# Altium PCB TEBF0808.PcbDoc (part 4 of 11)
Units mm, origin at the board's own origin, x right, y up, seen from the top; angles counter-clockwise.
Board outline 170 x 170 mm, 16 copper layers (L 01, L 02 G, L 03 S, L 04 G, L 05 S, L 06 G, L 07 P, L 08 P, L 09 P, L 10 P, L 11 G, L 12 S, L 13 G, L 14 S, L 15 G, L 16), stack 1.774 mm thick; 609 components, 869 nets, 3941 pads, 2358 vias.
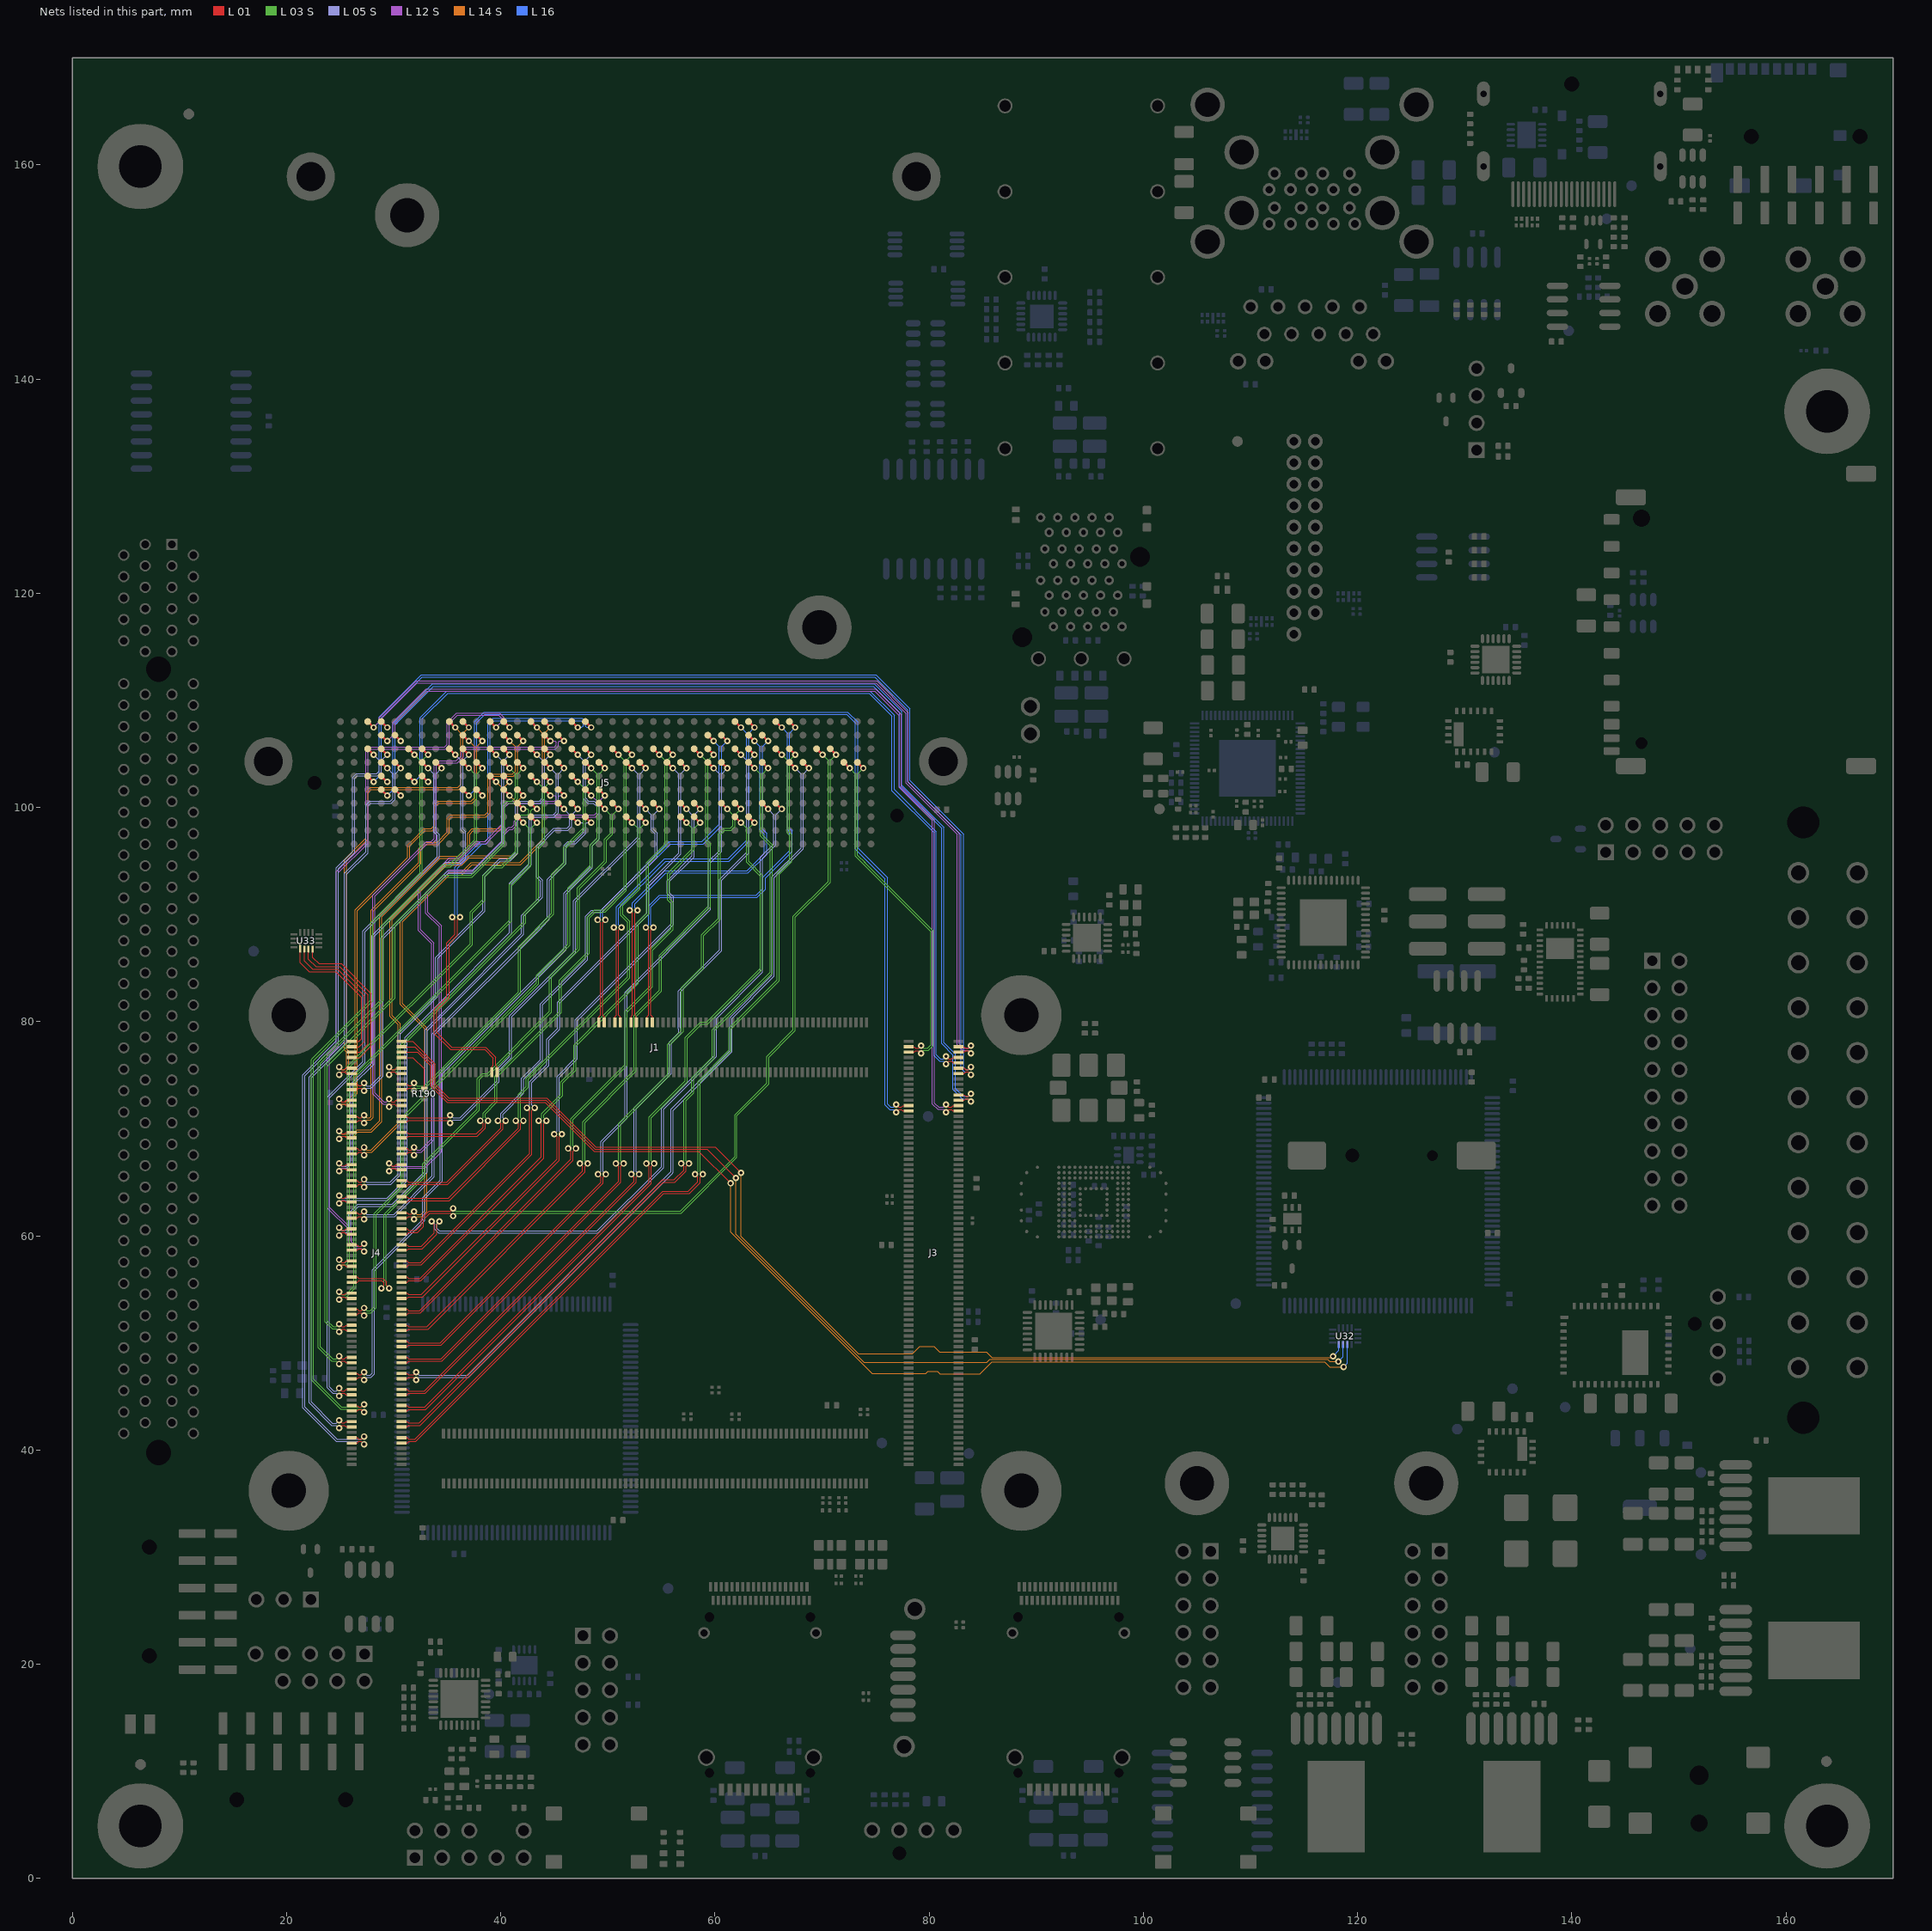
[diagram p18: the nets of this part, all layers, seen from the top]

## Via types
v1: diameter 0.6, hole 0.3, L 01 to L 16, 2356 vias
v2: diameter 0.6/0/0/0/0/0/0/0/0/0/0/0/0/0/0/0.6 (per signal layer), hole 0.3, L 01 to L 16, 2 vias

## Nets (pads, with @x,y where several pads share a name; then routed paths per layer and width w, separated by ;. In a path a pad name is that pad's centre, name@x,y a point inside that pad or via, vN(x,y) a via of type N, cw(c..) or ccw(c..) an arc to the next point about the centre after c; other vN are vias at no path point) (continued)
B48_L5_N: J3.25 J5.E31 | length 83.6
  L 01 w0.1: v1(76.908,72.263) 77.158,72.013 77.415,72.013 77.555,72.153 J3.25@78.07,72.153
  L 01 w0.2: J5.E31@36.466,101.665 v1(37.015,101.116)
  L 16 w0.1: v1(37.015,101.116) 37.54,101.641 37.54,108.002 38.439,108.9 72.4,108.9 73.33,107.969 73.33,96.195 76.1,93.425 76.1,72.313 76.4,72.013 76.658,72.013 v1(76.908,72.263)
B48_L5_P: J3.27 J5.E30 | length 83.2
  L 01 w0.1: v1(76.908,71.543) 77.158,71.793 77.415,71.793 77.555,71.653 J3.27@78.07,71.653
  L 01 w0.2: J5.E30@37.736,101.665 v1(38.285,101.116)
  L 16 w0.1: v1(38.285,101.116) 37.76,101.641 37.76,107.91 38.53,108.68 72.309,108.68 73.11,107.878 73.11,96.103 75.88,93.334 75.88,72.222 76.309,71.793 76.658,71.793 v1(76.908,71.543)
B48_L6_N: J3.3 J5.G3 | length 32.3
  L 01 w0.1: J3.3@78.07,77.653 78.585,77.653 78.725,77.513 78.982,77.513 v1(79.232,77.763)
  L 01 w0.2: J5.G3@72.026,104.205 v1(72.575,103.656)
  L 03 S w0.08: v1(72.575,103.656) 73.11,103.121 73.11,95.465 80.175,88.4 80.175,77.828 79.85,77.503 79.492,77.503 v1(79.232,77.763)
B48_L6_P: J3.5 J5.G2 | length 32.7
  L 01 w0.1: J3.5@78.07,77.153 78.585,77.153 78.725,77.293 78.982,77.293 v1(79.232,77.043)
  L 01 w0.2: J5.G2@73.296,104.205 v1(73.845,103.656)
  L 03 S w0.08: v1(73.845,103.656) 73.31,103.121 73.31,95.547 74.016,94.841 ; 73.916,94.941 80.375,88.483 80.375,77.745 79.933,77.303 79.492,77.303 v1(79.232,77.043)
B48_L8_N: J3.4 J5.K38 | length 89.5
  L 01 w0.1: J3.4@82.74,77.653 83.255,77.653 83.395,77.513 83.652,77.513 v1(83.902,77.763)
  L 01 w0.2: J5.K38@27.576,108.015 v1(28.125,107.466)
  L 12 S w0.08: v1(28.125,107.466) 28.66,108.001 28.66,108.36 32.1,111.8 75.099,111.8 78,108.899 78.05,108.849 78.05,102.333 82.8,97.583 82.8,77.9 83.197,77.503 83.642,77.503 v1(83.902,77.763)
B48_L8_P: J3.6 J5.K37 | length 89.2
  L 01 w0.1: J3.6@82.74,77.153 83.255,77.153 83.395,77.293 83.652,77.293 v1(83.902,77.043)
  L 01 w0.2: J5.K37@28.846,108.015 v1(29.395,107.466)
  L 12 S w0.08: v1(29.395,107.466) 28.86,108.001 28.86,108.278 32.183,111.6 75.016,111.6 77.85,108.766 77.85,102.25 82.6,97.5 82.6,77.817 83.114,77.303 83.642,77.303 v1(83.902,77.043)
B48_L9_N: J3.8 J5.F35 | length 89.1
  L 01 w0.1: v1(81.578,76.763) 81.828,76.513 82.085,76.513 82.225,76.653 J3.8@82.74,76.653
  L 01 w0.2: J5.F35@31.386,102.935 v1(31.935,102.386)
  L 16 w0.1: v1(31.935,102.386) 32.46,102.911 32.46,108.372 34.959,110.87 74.48,110.87 76.75,108.6 76.75,101.65 80.65,97.75 80.65,76.913 81.05,76.513 81.328,76.513 v1(81.578,76.763)
B48_L9_P: J3.10 J5.F34 | length 88.7
  L 01 w0.1: v1(81.578,76.043) 81.828,76.293 82.085,76.293 82.225,76.153 J3.10@82.74,76.153
  L 01 w0.2: J5.F34@32.656,102.935 v1(33.205,102.386)
  L 16 w0.1: v1(33.205,102.386) 32.68,102.911 32.68,108.28 35.05,110.65 74.389,110.65 76.53,108.509 76.53,101.559 80.43,97.659 80.43,76.822 80.959,76.293 81.328,76.293 v1(81.578,76.043)
B48_L10_N: J3.22 J5.E37 | length 98.3
  L 01 w0.1: J3.22@82.74,73.153 83.255,73.153 83.395,73.013 83.652,73.013 v1(83.902,73.263)
  L 01 w0.2: J5.E37@28.846,101.665 v1(29.395,101.116)
  L 16 w0.1: v1(29.395,101.116) 29.92,101.641 29.92,107.832 33.609,111.52 74.88,111.52 77.45,108.95 77.45,102.05 81.37,98.13 81.37,78.03 82.45,76.95 82.45,73.763 83.2,73.013 83.652,73.013 v1(83.902,73.263)
B48_L10_P: J3.24 J5.E36 | length 97.9
  L 01 w0.1: J3.24@82.74,72.653 83.255,72.653 83.395,72.793 83.652,72.793 v1(83.902,72.543)
  L 01 w0.2: J5.E36@30.116,101.665 v1(30.665,101.116)
  L 16 w0.1: v1(30.665,101.116) 30.14,101.641 30.14,107.74 33.7,111.3 74.789,111.3 77.23,108.859 77.23,101.959 81.15,98.039 81.15,77.939 82.23,76.859 82.23,73.672 83.109,72.793 83.652,72.793 v1(83.902,72.543)
B48_L11_N: J3.26 J5.J37 | length 92.7
  L 01 w0.1: v1(81.578,72.263) 81.828,72.013 82.085,72.013 82.225,72.153 J3.26@82.74,72.153
  L 01 w0.2: J5.J37@28.846,106.745 v1(29.395,106.196)
  L 12 S w0.08: v1(29.395,106.196) 29.93,106.731 29.93,107.963 33.017,111.05 75.001,111.05 75.101,110.95 77.4,108.651 77.4,101.951 78.8,100.551 80.5,98.851 80.5,72.4 80.897,72.003 81.318,72.003 v1(81.578,72.263)
B48_L11_P: J3.28 J5.J36 | length 92.4
  L 01 w0.1: v1(81.578,71.543) 81.828,71.793 82.085,71.793 82.225,71.653 J3.28@82.74,71.653
  L 01 w0.2: J5.J36@30.116,106.745 v1(30.665,106.196)
  L 12 S w0.08: v1(30.665,106.196) 30.13,106.731 30.13,107.88 33.1,110.85 74.918,110.85 77.2,108.568 77.2,101.869 80.3,98.769 80.3,72.317 80.814,71.803 81.318,71.803 v1(81.578,71.543)
B48_L12_N: J3.12 J5.F38 | length 97.3
  L 01 w0.1: J3.12@82.74,75.653 83.255,75.653 83.395,75.513 83.652,75.513 v1(83.902,75.763)
  L 01 w0.2: J5.F38@27.576,102.935 v1(28.125,102.386)
  L 16 w0.1: v1(28.125,102.386) 28.65,102.911 28.65,108.45 32.584,112.384 75.016,112.384 78.2,109.2 78.2,102.5 83.2,97.5 83.2,75.708 83.395,75.513 83.652,75.513 v1(83.902,75.763)
B48_L12_P: J3.14 J5.F37 | length 97
  L 01 w0.1: J3.14@82.74,75.153 83.255,75.153 83.395,75.293 83.652,75.293 v1(83.902,75.043)
  L 01 w0.2: J5.F37@28.846,102.935 v1(29.395,102.386)
  L 16 w0.1: v1(29.395,102.386) 28.87,102.911 28.87,108.359 32.675,112.164 74.925,112.164 77.98,109.109 77.98,102.409 82.98,97.409 82.98,75.617 83.304,75.293 83.652,75.293 v1(83.902,75.043)
B64_L1_N: J4.138 J5.C11 | length 71.8
  L 01 w0.1: J4.138@30.74,44.153 31.255,44.153 31.395,44.013 32.902,44.013 53.84,64.951 53.84,66.5 v1(53.59,66.75)
  L 01 w0.2: J5.C11@61.866,99.125 v1(62.415,98.576)
  L 03 S w0.08: v1(53.59,66.75) 53.85,67.01 53.85,71.108 57.22,74.478 57.22,78.52 58.65,79.95 59.217,79.95 64.25,84.983 64.25,93.578 62.95,94.878 62.95,98.041 v1(62.415,98.576)
B64_L1_P: J4.140 J5.C10 | length 72.2
  L 01 w0.1: J4.140@30.74,43.653 31.255,43.653 31.395,43.793 32.993,43.793 54.06,64.86 54.06,66.5 v1(54.31,66.75)
  L 01 w0.2: J5.C10@63.136,99.125 v1(63.685,98.576)
  L 03 S w0.08: v1(54.31,66.75) 54.05,67.01 54.05,71.025 57.42,74.395 57.42,78.437 58.733,79.75 59.3,79.75 64.45,84.9 64.45,93.661 63.15,94.961 63.15,98.041 v1(63.685,98.576)
B64_L2_N: J4.132 J5.H11 | length 75.3
  L 01 w0.1: J4.132@30.74,45.653 31.255,45.653 31.395,45.513 32.863,45.513 52.44,65.09 52.44,65.5 v1(52.19,65.75)
  L 01 w0.2: J5.H11@61.866,105.475 v1(62.415,104.926)
  L 05 S w0.08: v1(52.19,65.75) 52.45,66.01 52.45,71.95 55.716,75.216 55.716,78.067 56.595,78.946 56.595,79.31 56.59,79.316 56.59,82.84 56.95,83.2 60.439,86.689 60.439,93.289 62.95,95.8 62.95,104.391 v1(62.415,104.926)
B64_L2_P: J4.134 J5.H10 | length 75.6
  L 01 w0.1: J4.134@30.74,45.153 31.255,45.153 31.395,45.293 32.954,45.293 52.66,64.999 52.66,65.5 v1(52.91,65.75)
  L 01 w0.2: J5.H10@63.136,105.475 v1(63.685,104.926)
  L 05 S w0.08: v1(52.91,65.75) 52.65,66.01 52.65,71.867 55.916,75.133 55.916,77.984 56.795,78.863 56.795,79.393 56.79,79.398 56.79,82.757 60.639,86.606 60.639,93.206 63.15,95.718 63.15,104.391 v1(63.685,104.926)
B64_L3_N: J4.120 J5.D12 | length 67.9
  L 01 w0.1: J4.120@30.74,48.653 31.255,48.653 31.395,48.513 34.427,48.513 50.99,65.076 50.99,66.5 v1(50.74,66.75)
  L 01 w0.2: J5.D12@60.596,100.395 v1(61.145,99.846)
  L 03 S w0.08: v1(50.74,66.75) 51,67.01 51,70.5 55.57,75.07 55.57,77.86 56.86,79.15 56.86,83.16 58.75,85.05 58.75,88.1 60.3,89.65 60.3,97.533 60.817,98.05 61.43,98.05 61.68,98.3 61.68,99.311 v1(61.145,99.846)
B64_L3_P: J4.122 J5.D11 | length 68.3
  L 01 w0.1: J4.122@30.74,48.153 31.255,48.153 31.395,48.293 34.518,48.293 51.21,64.985 51.21,66.5 v1(51.46,66.75)
  L 01 w0.2: J5.D11@61.866,100.395 v1(62.415,99.846)
  L 03 S w0.08: v1(51.46,66.75) 51.2,67.01 51.2,70.417 55.77,74.987 55.77,77.777 57.06,79.067 57.06,83.077 58.95,84.967 58.95,88.017 60.5,89.567 60.5,97.45 60.9,97.85 61.513,97.85 61.88,98.217 61.88,99.311 v1(62.415,99.846)
B64_L4_N: J4.116 J5.G12 | length 69.7
  L 01 w0.1: J4.116@30.74,49.653 31.255,49.653 31.395,49.793 34.443,49.793 49.56,64.91 49.56,65.5 v1(49.81,65.75)
  L 01 w0.2: J5.G12@60.596,104.205 v1(61.145,103.656)
  L 05 S w0.08: v1(49.81,65.75) 49.55,66.01 49.55,68.727 51.8,70.977 51.8,82.667 59.6,90.467 59.6,94.867 60.61,95.878 60.61,103.121 v1(61.145,103.656)
B64_L4_P: J4.114 J5.G13 | length 69.3
  L 01 w0.1: J4.114@30.74,50.153 31.255,50.153 31.395,50.013 34.352,50.013 49.34,65.001 49.34,65.5 v1(49.09,65.75)
  L 01 w0.2: J5.G13@59.326,104.205 v1(59.875,103.656)
  L 05 S w0.08: v1(49.09,65.75) 49.35,66.01 49.35,68.81 51.6,71.06 51.6,82.75 59.4,90.55 59.4,94.95 60.41,95.96 60.41,103.121 v1(59.875,103.656)
B64_L5_N: J4.104 J5.C14 | length 59.7
  L 01 w0.1: J4.104@30.74,52.653 31.255,52.653 31.395,52.793 32.493,52.793 46.76,67.06 46.76,67.9 v1(47.01,68.15)
  L 01 w0.2: J5.C14@58.056,99.125 v1(58.605,98.576)
  L 03 S w0.08: v1(47.01,68.15) 46.75,68.41 46.75,70.85 51.8,75.9 51.8,80.9 54.15,83.25 54.15,86.664 56.075,88.589 56.075,91.125 55.775,91.425 55.775,93.742 58.07,96.038 58.07,98.041 v1(58.605,98.576)
B64_L5_P: J4.102 J5.C15 | length 59.3
  L 01 w0.1: J4.102@30.74,53.153 31.255,53.153 31.395,53.013 32.402,53.013 46.54,67.151 46.54,67.9 v1(46.29,68.15)
  L 01 w0.2: J5.C15@56.786,99.125 v1(57.335,98.576)
  L 03 S w0.08: v1(46.29,68.15) 46.55,68.41 46.55,70.933 51.6,75.983 51.6,80.983 53.95,83.333 53.95,86.747 55.875,88.672 55.875,91.042 55.575,91.342 55.575,93.825 57.87,96.12 57.87,98.041 v1(57.335,98.576)
B64_L6_N: J4.96 J5.D15 | length 59.3
  L 01 w0.1: J4.96@30.74,54.653 31.255,54.653 31.395,54.513 32.602,54.513 45.24,67.151 45.24,69.25 v1(44.99,69.5)
  L 01 w0.2: J5.D15@56.786,100.395 v1(57.335,99.846)
  L 05 S w0.08: v1(44.99,69.5) 45.25,69.76 45.25,74.05 45.25,74.883 46.95,76.583 46.95,80.15 55.95,89.15 55.95,91.55 55.55,91.95 55.55,93.15 55.65,93.25 57.87,95.47 57.87,99.311 v1(57.335,99.846)
B64_L6_P: J4.98 J5.D14 | length 59.6
  L 01 w0.1: J4.98@30.74,54.153 31.255,54.153 31.395,54.293 32.693,54.293 45.46,67.06 45.46,69.25 v1(45.71,69.5)
  L 01 w0.2: J5.D14@58.056,100.395 v1(58.605,99.846)
  L 05 S w0.08: v1(45.71,69.5) 45.45,69.76 45.45,74.8 47.15,76.5 47.15,80.067 56.15,89.067 56.15,91.633 55.75,92.033 55.75,93.067 58.07,95.388 58.07,99.311 v1(58.605,99.846)
B64_L7_N: J4.152 J5.H7 | length 82.7
  L 01 w0.1: J4.152@30.74,40.653 31.255,40.653 31.402,40.8 32.061,40.8 55.201,63.939 57.601,63.939 58.61,64.949 58.61,65.5 v1(58.86,65.75)
  L 01 w0.2: J5.H7@66.946,105.475 v1(67.495,104.926)
  L 03 S w0.08: v1(58.86,65.75) 58.6,66.01 58.6,74.35 61.51,77.26 61.51,79.327 66,83.817 66,93.767 67.15,94.917 67.15,97.457 66.96,97.647 66.96,104.391 v1(67.495,104.926)
B64_L7_P: J4.150 J5.H8 | length 82.4
  L 01 w0.1: J4.150@30.74,41.153 31.255,41.153 31.388,41.02 31.97,41.02 55.109,64.159 57.509,64.159 58.39,65.04 58.39,65.5 v1(58.14,65.75)
  L 01 w0.2: J5.H8@65.676,105.475 v1(66.225,104.926)
  L 03 S w0.08: v1(58.14,65.75) 58.4,66.01 58.4,74.433 61.31,77.343 61.31,79.41 65.8,83.9 65.8,93.85 66.95,95 66.95,97.374 66.76,97.564 66.76,104.391 v1(66.225,104.926)
B64_L8_N: J4.144 J5.G10 | length 78.6
  L 01 w0.1: J4.144@30.74,42.653 31.255,42.653 31.395,42.513 32.385,42.513 55.092,65.22 56.17,65.22 57.09,66.14 57.09,66.5 v1(56.84,66.75)
  L 01 w0.2: J5.G10@63.136,104.205 v1(63.685,103.656)
  L 03 S w0.08: v1(56.84,66.75) 57.1,67.01 57.1,72.708 57.8,73.408 57.8,74.733 59.75,76.683 59.75,79.233 65.15,84.633 65.15,96.417 64.22,97.347 64.22,103.121 v1(63.685,103.656)
B64_L8_P: J4.146 J5.G9 | length 79
  L 01 w0.1: J4.146@30.74,42.153 31.255,42.153 31.395,42.293 32.476,42.293 55.183,65 56.261,65 57.31,66.049 57.31,66.5 v1(57.56,66.75)
  L 01 w0.2: J5.G9@64.406,104.205 v1(64.955,103.656)
  L 03 S w0.08: v1(57.56,66.75) 57.3,67.01 57.3,72.625 58,73.325 58,74.65 59.95,76.6 59.95,79.15 65.35,84.55 65.35,96.5 64.42,97.43 64.42,103.121 v1(64.955,103.656)
B64_L9_N: J4.108 J5.H14 | length 68
  L 01 w0.1: J4.108@30.74,51.653 31.255,51.653 31.395,51.513 33.119,51.513 47.64,66.034 47.64,66.5 v1(47.39,66.75)
  L 01 w0.2: J5.H14@58.056,105.475 v1(58.605,104.926)
  L 03 S w0.08: v1(47.39,66.75) 47.65,67.01 47.65,70.658 52.45,75.458 52.45,80.583 54.8,82.933 54.8,86.2 59.4,90.8 59.4,96.517 59.14,96.777 59.14,104.391 v1(58.605,104.926)
B64_L9_P: J4.110 J5.H13 | length 68.4
  L 01 w0.1: J4.110@30.74,51.153 31.255,51.153 31.395,51.293 33.21,51.293 47.86,65.943 47.86,66.5 v1(48.11,66.75)
  L 01 w0.2: J5.H13@59.326,105.475 v1(59.875,104.926)
  L 03 S w0.08: v1(48.11,66.75) 47.85,67.01 47.85,70.575 52.65,75.375 52.65,80.5 55,82.85 55,86.117 59.6,90.717 59.6,96.6 59.34,96.86 59.34,104.391 v1(59.875,104.926)
B64_L10_N: J4.90 J5.H17 | length 61.4
  L 01 w0.1: J4.90@30.74,56.153 31.255,56.153 31.395,56.013 32.452,56.013 43.79,67.351 43.79,70.5 v1(43.54,70.75)
  L 01 w0.2: J5.H17@54.246,105.475 v1(54.795,104.926)
  L 03 S w0.08: v1(43.54,70.75) 43.8,71.01 43.8,71.4 45.6,73.2 45.6,74.35 46.805,75.555 46.805,77.805 49.75,80.75 52.65,83.65 52.65,89.15 53.6,90.1 53.6,94.833 55.33,96.563 55.33,104.391 v1(54.795,104.926)
B64_L10_P: J4.92 J5.H16 | length 61.7
  L 01 w0.1: J4.92@30.74,55.653 31.255,55.653 31.395,55.793 32.543,55.793 44.01,67.26 44.01,70.5 v1(44.26,70.75)
  L 01 w0.2: J5.H16@55.516,105.475 v1(56.065,104.926)
  L 03 S w0.08: v1(44.26,70.75) 44,71.01 44,71.317 45.8,73.117 45.8,74.267 47.005,75.473 47.005,77.723 52.85,83.567 52.85,89.067 53.8,90.017 53.8,94.75 55.53,96.48 55.53,104.391 v1(56.065,104.926)
B64_L11_N: J4.80 J5.D9 | length 68.3
  L 01 w0.1: J4.80@30.74,58.653 31.255,58.653 31.395,58.793 32.654,58.793 34.02,60.159 34.02,61.1 v1(34.27,61.35)
  L 01 w0.2: J5.D9@64.406,100.395 v1(64.955,99.846)
  L 05 S w0.08: v1(34.27,61.35) 34.01,61.09 34.01,60.723 34.283,60.45 49,60.45 55,66.45 55,71.9 59.93,76.83 59.93,80.38 60.05,80.5 64.25,84.7 64.25,95.35 65.49,96.59 65.49,99.311 v1(64.955,99.846)
B64_L11_P: J4.78 J5.D8 | length 68.6
  L 01 w0.1: J4.78@30.74,59.153 31.255,59.153 31.395,59.013 32.563,59.013 33.8,60.25 33.8,61.1 v1(33.55,61.35)
  L 01 w0.2: J5.D8@65.676,100.395 v1(66.225,99.846)
  L 05 S w0.08: v1(33.55,61.35) 33.81,61.09 33.81,60.64 34.2,60.25 49.083,60.25 55.2,66.367 55.2,71.817 60.13,76.747 60.13,80.297 64.45,84.617 64.45,95.267 65.69,96.508 65.69,99.311 v1(66.225,99.846)
B64_L12_N: J4.126 J5.G7 | length 77
  L 01 w0.1: J4.126@30.74,47.153 31.255,47.153 31.395,47.013 31.85,47.013 v1(32.1,47.263)
  L 01 w0.2: J5.G7@66.946,104.205 v1(67.495,103.656)
  L 05 S w0.08: v1(32.1,47.263) 32.363,47 36.9,47 55.9,66 55.9,71.8 61.38,77.28 61.38,80.38 65.33,84.33 65.33,93.53 68.03,96.23 68.03,103.121 v1(67.495,103.656)
B64_L12_P: J4.128 J5.G6 | length 108
  L 01 w0.1: J4.128@30.74,46.653 31.255,46.653 31.395,46.793 31.85,46.793 v1(32.1,46.543)
  L 01 w0.2: J5.G6@68.216,104.205 v1(68.765,103.656)
  L 05 S w0.08: v1(32.1,46.543) 32.357,46.8 36.983,46.8 ; v1(68.765,103.656) 68.23,103.121 68.23,96.148 ; 36.983,46.8 56,65.817 ; 36.983,46.8 56,65.817 ; 56,65.817 56.1,65.917 56.1,71.717 61.58,77.197 61.58,80.297 65.53,84.247 65.53,93.447 ; 65.53,93.447 68.23,96.148 ; 65.53,93.447 68.23,96.148
B64_L13_N: J4.66 J5.K26 | length 58.5
  L 01 w0.1: J4.66@30.74,62.153 31.255,62.153 31.395,62.013 31.652,62.013 v1(31.902,62.263)
  L 01 w0.2: J5.K26@42.816,108.015 v1(43.365,107.466)
  L 14 S w0.08: v1(31.902,62.263) 32.162,62.003 32.553,62.003 32.9,62.35 32.9,79.317 30.6,81.617 30.6,89.4 35.1,93.9 36.267,93.9 37.217,94.85 41.75,94.85 43.9,97 43.9,106.931 v1(43.365,107.466)
B64_L13_P: J4.68 J5.K25 | length 58.8
  L 01 w0.1: J4.68@30.74,61.653 31.255,61.653 31.395,61.793 31.652,61.793 v1(31.902,61.543)
  L 01 w0.2: J5.K25@44.086,108.015 v1(44.635,107.466)
  L 14 S w0.08: v1(31.902,61.543) 32.162,61.803 32.636,61.803 33.1,62.267 33.1,79.4 30.8,81.7 30.8,89.317 35.183,93.7 36.35,93.7 37.3,94.65 41.833,94.65 44.1,96.918 44.1,106.931 v1(44.635,107.466)
B64_L14_N: J4.72 J5.H5 | length 76.7
  L 01 w0.1: J4.72@30.74,60.653 31.255,60.653 31.395,60.513 32.113,60.513 32.575,60.975 32.575,61.591 33.304,62.32 35.3,62.32 v1(35.55,62.57)
  L 01 w0.2: J5.H5@69.486,105.475 v1(70.035,104.926)
  L 03 S w0.08: v1(35.55,62.57) 35.81,62.31 56.76,62.31 61.85,67.4 61.85,71.29 64.82,74.26 64.82,76.77 67.295,79.245 67.295,89.82 70.57,93.095 70.57,104.391 v1(70.035,104.926)
B64_L14_P: J4.74 J5.H4 | length 77.1
  L 01 w0.1: J4.74@30.74,60.153 31.255,60.153 31.395,60.293 32.204,60.293 32.795,60.884 32.795,61.5 33.395,62.1 35.3,62.1 v1(35.55,61.85)
  L 01 w0.2: J5.H4@70.756,105.475 v1(71.305,104.926)
  L 03 S w0.08: v1(35.55,61.85) 35.81,62.11 56.843,62.11 62.05,67.317 62.05,71.207 65.02,74.177 65.02,76.687 67.05,78.717 67.495,79.163 67.495,89.738 70.77,93.013 70.77,104.391 v1(71.305,104.926)
B64_L15_N: J4.38 J5.H19 | length 50.2
  L 01 w0.1: J4.38@30.74,69.153 31.255,69.153 31.395,69.293 37.794,69.293 38.56,70.059 38.56,70.5 v1(38.81,70.75)
  L 01 w0.2: J5.H19@51.706,105.475 v1(52.255,104.926)
  L 03 S w0.08: v1@38.81,70.8 38.55,71.06 38.55,71.392 39.65,72.492 39.65,74.842 45.65,80.842 45.65,83.775 48.25,86.375 48.25,89.667 48.833,90.25 49.75,90.25 51.72,92.22 51.72,104.391 v1(52.255,104.926)
B64_L15_P: J4.36 J5.H20 | length 49.8
  L 01 w0.1: J4.36@30.74,69.653 31.255,69.653 31.395,69.513 37.703,69.513 38.34,70.15 38.34,70.5 v1(38.09,70.75)
  L 01 w0.2: J5.H20@50.436,105.475 v1(50.985,104.926)
  L 03 S w0.08: v1@38.09,70.8 38.35,71.06 38.35,71.475 39.45,72.575 39.45,74.925 45.45,80.925 45.45,83.858 48.05,86.458 48.05,89.75 48.75,90.45 49.667,90.45 51.52,92.303 51.52,104.391 v1(50.985,104.926)
B64_L16_N: J4.84 J5.G16 | length 59.2
  L 01 w0.1: J4.84@30.74,57.653 31.255,57.653 31.395,57.513 32.502,57.513 42.69,67.701 42.69,71.7 v1(42.44,71.95)
  L 01 w0.2: J5.G16@55.516,104.205 v1(56.065,103.656)
  L 05 S w0.08: v1(42.44,71.95) 42.7,72.21 42.7,74.4 44.3,76 44.3,78.375 45.305,79.38 45.305,81.805 53.65,90.15 53.65,92.75 56.627,95.727 56.627,103.094 v1(56.065,103.656)
B64_L16_P: J4.86 J5.G15 | length 59.5
  L 01 w0.1: J4.86@30.74,57.153 31.255,57.153 31.395,57.293 32.593,57.293 42.91,67.61 42.91,71.7 v1(43.16,71.95)
  L 01 w0.2: J5.G15@56.786,104.205 v1(57.335,103.656)
  L 05 S w0.08: v1(43.16,71.95) 42.9,72.21 42.9,74.317 44.45,75.867 44.5,75.917 44.5,78.292 45.505,79.298 45.505,81.723 53.85,90.067 53.85,92.667 56.827,95.644 56.827,103.147 v1(57.335,103.656)
B64_L17_N: J4.62 J5.C18 | length 48.9
  L 01 w0.1: J4.62@30.74,63.153 31.255,63.153 31.395,63.293 35.193,63.293 41.86,69.96 41.86,70.5 v1(42.11,70.75)
  L 01 w0.2: J5.C18@52.976,99.125 v1(53.525,98.576)
  L 03 S w0.08: v1(42.11,70.75) 41.85,71.01 41.85,73.15 42.575,73.875 42.575,74.617 52.05,84.092 52.05,89.35 51.4,90 51.4,90.817 52.99,92.408 52.99,98.041 v1(53.525,98.576)
B64_L17_P: J4.60 J5.C19 | length 48.6
  L 01 w0.1: J4.60@30.74,63.653 31.255,63.653 31.395,63.513 35.102,63.513 41.64,70.051 41.64,70.5 v1(41.39,70.75)
  L 01 w0.2: J5.C19@51.706,99.125 v1(52.255,98.576)
  L 03 S w0.08: v1(41.39,70.75) 41.65,71.01 41.65,73.233 42.375,73.958 42.375,74.7 51.85,84.175 51.85,89.267 51.2,89.917 51.2,90.9 52.79,92.49 52.79,98.041 v1(52.255,98.576)
B64_L18_N: J4.56 J5.D17 | length 49.4
  L 01 w0.1: J4.56@30.74,64.653 31.255,64.653 31.395,64.793 35.044,64.793 40.21,69.959 40.21,70.5 v1(40.46,70.75)
  L 01 w0.2: J5.D17@54.246,100.395 v1(54.795,99.846)
  L 05 S w0.08: v1(40.46,70.75) 40.2,71.01 40.2,71.35 42.15,73.3 42.15,74.617 43.75,76.217 43.9,76.367 43.9,81.567 48.1,85.767 48.1,89.767 48.533,90.2 49.433,90.2 54.6,95.367 54.6,97.633 54.26,97.972 54.26,99.311 v1(54.795,99.846)
B64_L18_P: J4.54 J5.D18 | length 49.3
  L 01 w0.08: v1(39.74,70.75) v1@39.94,70.75
  L 01 w0.1: J4.54@30.74,65.153 31.255,65.153 31.395,65.013 34.953,65.013 39.99,70.05 39.99,70.5 v1(39.74,70.75) ; v1@39.94,70.75 v1@39.99,70.8
  L 01 w0.2: J5.D18@52.976,100.395 v1(53.525,99.846)
  L 05 S w0.08: v1(39.74,70.75) 40,71.01 40,71.433 41.95,73.383 41.95,74.7 43.7,76.45 43.7,81.65 47.9,85.85 47.9,89.85 48.45,90.4 49.35,90.4 54.4,95.45 54.4,97.55 54.06,97.89 54.06,99.311 v1(53.525,99.846)
B64_L19_N: J4.30 J5.G19 | length 46.2
  L 01 w0.1: J4.30@30.74,71.153 31.255,71.153 31.395,71.013 35.025,71.013 v1(35.275,71.263)
  L 01 w0.2: J5.G19@51.706,104.205 v1(52.255,103.656)
  L 05 S w0.08: v1(35.275,71.263) 35.535,71.003 36.195,71.003 39.65,74.458 39.65,75.55 40.805,76.705 40.805,80.513 46.8,86.508 46.8,91.26 52.79,97.25 52.79,103.121 v1(52.255,103.656)
B64_L19_P: J4.32 J5.G18 | length 46.6
  L 01 w0.1: J4.32@30.74,70.653 31.255,70.653 31.395,70.793 35.025,70.793 v1(35.275,70.543)
  L 01 w0.2: J5.G18@52.976,104.205 v1(53.525,103.656)
  L 05 S w0.08: v1(35.275,70.543) 35.535,70.803 36.278,70.803 39.85,74.375 39.85,75.467 41.005,76.623 41.005,80.43 47,86.425 47,91.177 52.99,97.168 52.99,103.121 v1(53.525,103.656)